# Altium PCB PA_8CH_CTRL.PcbDoc (part 5 of 11) (continued)
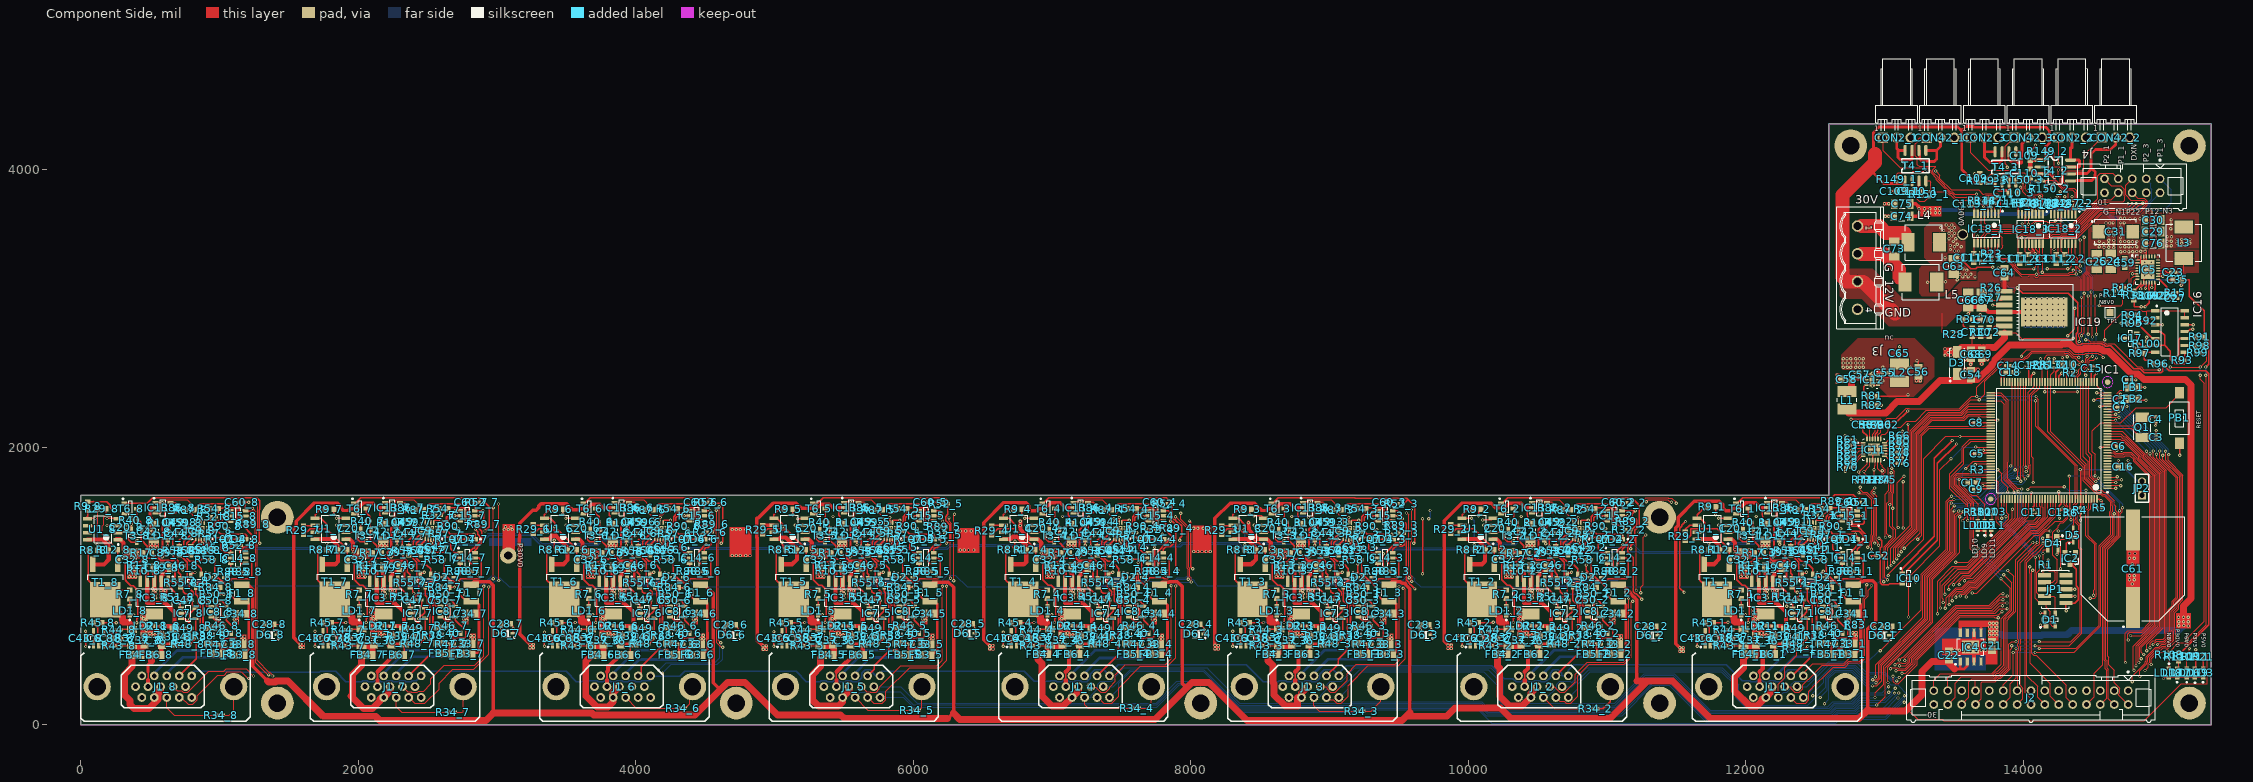
[diagram p0: Component Side view]
## Nets (pads, with @x,y where several pads share a name; then routed paths per layer and width w, separated by ;. In a path a pad name is that pad's centre, name@x,y a point inside that pad or via, vN(x,y) a via of type N, cw(c..) or ccw(c..) an arc to the next point about the centre after c; other vN are vias at no path point) (continued)
  Component Side w30: v2(13581.69,2560.04) 13582.68,2559.06 C54.2@13623.03,2559.06 13671.26,2559.06 v2(13673.23,2561.02) ; v2(13581.69,2634.84) C68.1@13623.03,2634.84 13623.03,2602.36 v2(13620.08,2599.41) ; C66.1@13614.17,3011.81 13676.38,3011.81 13696.06,2992.13 13730.31,2992.13 13747.24,2975.2 IC19.4@13863.19,2975.2 IC19.8@14150.79,2975.2 ; IC4.3@13645,456.67 13645,536 v1(13620,561) 13645,586 IC4.6@13645,665.33 ; v2(13700.79,2600.39) C69.1@13700.79,2635.83 13740.16,2635.83 v2(13741.14,2634.84)
  Signal Layer 1 w10: v2(9724.41,1545.28) 9743.94,1564.81 10324.95,1564.81 10382.09,1507.68 v1(10382.09,1502.31) ; v1(13643,1674) v1@13645,1674
  Solder Side w10: v1(7075,1502.31) 7257.53,1502.31 v2(7263.78,1496.06) ; v1(8728.54,1502.31) 8842.17,1502.31 v2(8848.43,1496.06) ; v2(9714.57,1486.22) 9724.41,1496.06 v2(9724.41,1545.28)
  other v1: 13581,528 13622,529 13661,529 13696,536 13727,537 13538,538 13506,540 13582,559 13659,560 13619,589 13581,590 13657,591 1157,613 1182,613 11078,617 11103,617 2811,619 2836,619 7772,619 7797,619 6117,620 6142,620 9424,620 9449,620 4464,621 4489,621 1157,636 500,637 547,637 1180,637 524,638 2153.54,638.14 2200.54,638.14 3807.09,638.14 3854.09,638.14 5460.63,638.14 5507.63,638.14 7114.17,638.14 7161.17,638.14 8767.72,638.14 8814.72,638.14 10421.26,638.14 10468.26,638.14 12114.17,638.14 12161.17,638.14 2177.54,639.14 3831.09,639.14 5484.63,639.14 7138.17,639.14 8791.72,639.14 10445.26,639.14 12138.17,639.14 11078,640 12771,640 12796,640 11101,641 2811,642 7772,642 2834,643 6117,643 7795,643 9424,643 4464,644 6140,644 9447,644 4487,645 546,660 499,661 523,661 2199.54,661.14 3853.09,661.14 5506.63,661.14 7160.17,661.14 8813.72,661.14 10467.26,661.14 12160.17,661.14 2152.54,662.14 2176.54,662.14 3806.09,662.14 3830.09,662.14 5459.63,662.14 5483.63,662.14 7113.17,662.14 7137.17,662.14 8766.72,662.14 8790.72,662.14 10420.26,662.14 10444.26,662.14 12113.17,662.14 12137.17,662.14 12771,663 12794,664 566,674 590,674 2219.54,675.14 2243.54,675.14 3873.09,675.14 3897.09,675.14 5526.63,675.14 5550.63,675.14 7180.17,675.14 7204.17,675.14 8833.72,675.14 8857.72,675.14 10487.26,675.14 10511.26,675.14 12180.17,675.14 12204.17,675.14 472,682 2125.54,683.14 3779.09,683.14 5432.63,683.14 7086.17,683.14 8739.72,683.14 10393.26,683.14 12086.17,683.14 443,691 2096.54,692.14 3750.09,692.14 5403.63,692.14 7057.17,692.14 8710.72,692.14 10364.26,692.14 12057.17,692.14 1111,736 2764.54,737.14 4418.09,737.14 6071.63,737.14 7725.17,737.14 9378.72,737.14 11032.26,737.14 12725.17,737.14 440,746 2093.54,747.14 3747.09,747.14 5400.63,747.14 7054.17,747.14 8707.72,747.14 10361.26,747.14 12054.17,747.14 472,748 2125.54,749.14 3779.09,749.14 5432.63,749.14 7086.17,749.14 8739.72,749.14 10393.26,749.14 12086.17,749.14 1129,752 2782.54,753.14 4436.09,753.14 6089.63,753.14 7743.17,753.14 9396.72,753.14 11050.26,753.14 1107,762 2760.54,763.14 4414.09,763.14 6067.63,763.14 7721.17,763.14 9374.72,763.14 11028.26,763.14 12721.17,763.14 455,765 2108.54,766.14 3762.09,766.14 5415.63,766.14 7069.17,766.14 8722.72,766.14 10376.26,766.14 12069.17,766.14 436,780 2089.54,781.14 3743.09,781.14 5396.63,781.14 7050.17,781.14 8703.72,781.14 10357.26,781.14 12050.17,781.14 456,795 2109.54,796.14 3763.09,796.14 5416.63,796.14 7070.17,796.14 8723.72,796.14 10377.26,796.14 12070.17,796.14 437,809 2090.54,810.14 3744.09,810.14 5397.63,810.14 7051.17,810.14 8704.72,810.14 10358.26,810.14 12051.17,810.14 456,823 2109.54,824.14 3763.09,824.14 5416.63,824.14 7070.17,824.14 8723.72,824.14 10377.26,824.14 12070.17,824.14 434,834 2087.54,835.14 3741.09,835.14 5394.63,835.14 7048.17,835.14 8701.72,835.14 10355.26,835.14 12048.17,835.14 540,915 2193.54,916.14 3847.09,916.14 5500.63,916.14 7154.17,916.14 8807.72,916.14 10461.26,916.14 12154.17,916.14 522,930 2175.54,931.14 3829.09,931.14 5482.63,931.14 7136.17,931.14 8789.72,931.14 10443.26,931.14 12136.17,931.14 542,943 2195.54,944.14 3849.09,944.14 5502.63,944.14 7156.17,944.14 8809.72,944.14 10463.26,944.14 12156.17,944.14 521,956 2174.54,957.14 3828.09,957.14 5481.63,957.14 7135.17,957.14 8788.72,957.14 10442.26,957.14 12135.17,957.14 540,970 2193.54,971.14 3847.09,971.14 5500.63,971.14 7154.17,971.14 8807.72,971.14 10461.26,971.14 12154.17,971.14 519,982 2172.54,983.14 3826.09,983.14 5479.63,983.14 7133.17,983.14 8786.72,983.14 10440.26,983.14 12133.17,983.14 396,1067 349,1068 373,1068 2049.54,1068.14 3703.09,1068.14 5356.63,1068.14 7010.17,1068.14 8663.72,1068.14 10317.26,1068.14 12010.17,1068.14 2002.54,1069.14 2026.54,1069.14 3656.09,1069.14 3680.09,1069.14 5309.63,1069.14 5333.63,1069.14 6963.17,1069.14 6987.17,1069.14 8616.72,1069.14 8640.72,1069.14 10270.26,1069.14 10294.26,1069.14 11963.17,1069.14 11987.17,1069.14 372,1093 396,1093 348,1094 2025.54,1094.14 2049.54,1094.14 3679.09,1094.14 3703.09,1094.14 5332.63,1094.14 5356.63,1094.14 6986.17,1094.14 7010.17,1094.14 8639.72,1094.14 8663.72,1094.14 10293.26,1094.14 10317.26,1094.14 11986.17,1094.14 12010.17,1094.14 2001.54,1095.14 3655.09,1095.14 5308.63,1095.14 6962.17,1095.14 8615.72,1095.14 10269.26,1095.14 11962.17,1095.14 14785,1160 14765,1200 14800,1200 14765,1235 14805,1235 526,1279 551,1279 503,1280 2179.54,1280.14 2204.54,1280.14 3833.09,1280.14 3858.09,1280.14 5486.63,1280.14 5511.63,1280.14 7165.17,1280.14 8793.72,1280.14 8818.72,1280.14 10447.26,1280.14 10472.26,1280.14 12140.17,1280.14 12165.17,1280.14 2156.54,1281.14 3810.09,1281.14 5463.63,1281.14 8770.72,1281.14 10424.26,1281.14 12117.17,1281.14 7115,1285 7140,1285 550,1303 502,1304 526,1304 2203.54,1304.14 3857.09,1304.14 5510.63,1304.14 7164.17,1304.14 8817.72,1304.14 10471.26,1304.14 12164.17,1304.14 2155.54,1305.14 2179.54,1305.14 3809.09,1305.14 3833.09,1305.14 5462.63,1305.14 5486.63,1305.14 7116.17,1305.14 7140.17,1305.14 8769.72,1305.14 8793.72,1305.14 10423.26,1305.14 10447.26,1305.14 12116.17,1305.14 12140.17,1305.14 5421.46,1502.31 12075,1502.31 12909,1971 12938,1971 12909,1997 12938,1997 12812,2180 12911,2442 12659,2469 12911,2473 13230,2479 13257,2479 12659,2495 12911,2503 12659,2519 12912,2535 14786.86,3251.61 14566.93,3336.61 14527.86,3338.61 14604.86,3338.61 14655.86,3338.61 14651.86,3439.61 14580.86,3441.61 14615.86,3442.61 14547.24,3444.88 15033.86,3452.61 15065.86,3452.61 14517.72,3464.57 14650.86,3464.61 14579.86,3466.61 14614.86,3467.61 15107.86,3470.61 15140.86,3470.61 15171.86,3470.61 15198.82,3470.47 14547.24,3484.25 15034.86,3485.61 15066.86,3485.61 14650.86,3490.61 14614.86,3493.61 15107.86,3498.61 15140.86,3498.61 15171.86,3498.61 15200.86,3498.61 15035.86,3518.61 15067.86,3518.61 14649.86,3525.61 14614.86,3527.61 14648.86,3550.61 14613.86,3552.61 15062.86,3574.61 14648.86,3576.61 14613.86,3578.61 15063.86,3607.61 14595.86,3616.61 14621.86,3616.61 14646.86,3617.61 15064.86,3640.61 13005,3665 13030,3665 12999,3756
  other v2: 840.32,1379.17 879.69,1379.17 2493.86,1380.31 2533.23,1380.31 4147.4,1380.31 4186.77,1380.31 5800.94,1380.31 5840.31,1380.31 7454.49,1380.31 7493.86,1380.31 9108.03,1380.31 9147.4,1380.31 12454.49,1380.31 12492,1381 10763,1382 10801,1383 860,1398.86 2513.54,1400 4167.09,1400 5820.63,1400 7474.17,1400 9127.72,1400 10781.26,1400 12474.17,1400 840.32,1418.54 879.69,1418.54 2493.86,1419.69 2533.23,1419.69 4147.4,1419.69 4186.77,1419.69 5800.94,1419.69 5840.31,1419.69 7454.49,1419.69 7493.86,1419.69 9108.03,1419.69 9147.4,1419.69 10761.57,1419.69 10800.94,1419.69 12454.49,1419.69 12493.86,1419.69 14015.75,2874.02 14055.12,2874.02 14094.49,2874.02 14133.86,2874.02 14173.23,2874.02 14212.6,2874.02 14251.97,2874.02 14291.34,2874.02 14015.75,2913.39 14055.12,2913.39 14094.49,2913.39 14133.86,2913.39 14173.23,2913.39 14212.6,2913.39 14251.97,2913.39 14291.34,2913.39 14015.75,2952.76 14055.12,2952.76 14094.49,2952.76 14133.86,2952.76 14173.23,2952.76 14212.6,2952.76 14251.97,2952.76 14291.34,2952.76 14015.75,2992.13 14055.12,2992.13 14094.49,2992.13 14133.86,2992.13 14173.23,2992.13 14212.6,2992.13 14251.97,2992.13 14291.34,2992.13 14015.75,3031.5 14055.12,3031.5 14094.49,3031.5 14133.86,3031.5 14173.23,3031.5 14212.6,3031.5 14251.97,3031.5 14291.34,3031.5 14015.75,3070.87 14055.12,3070.87 14094.49,3070.87 14133.86,3070.87 14173.23,3070.87 14212.6,3070.87 14251.97,3070.87 14291.34,3070.87 13523.62,3208.66 13562.99,3228.35 13602.36,3228.35 13651.57,3228.35 13543.31,3248.03 13582.68,3248.03 13622.05,3248.03 13592.52,3277.56 13562.99,3287.4
I2C0_SCL: IC9_8.3 IC11.2 IC15_8.5 J1_8.9 R63.1 | length 14575.1
  Component Side w6: J1_8.9@665.16,274.45 694.53,245.08 727.26,245.08 738.38,233.95 771.93,233.95 922.98,385 1030,385 1048,403 1194,403 v1(1245,352) ; v1(1238,1561) 1262.21,1536.79 1262.21,1414.05 1256.56,1408.4 1256.56,1295.46 1261,1291.02 1261,446 1347,360 v1(1355,360) ; R63.1@12754.37,2013.88 12779.88,2013.88 v1(12784,2018) 12788.12,2013.88 IC11.2@12846.1,2013.88
  Component Side w10: IC9_8.3@918.07,1408.7 938.7,1408.7 981.81,1451.81 996.81,1451.81 1043,1498 v1(1043,1506.81) 1078.94,1506.81 IC15_8.5@1080.63,1505.12
  Signal Layer 1 w6: v1(1043,1506.81) 1066.71,1530.52 1206.49,1530.52 1306.55,1630.57 2619.68,1630.57 2652.92,1597.33 2670.16,1597.33 2703.41,1630.57 3493.95,1630.57 3501.71,1622.81 3567.19,1622.81 3574.95,1630.57 5926.77,1630.57 5960.01,1597.33 5977.25,1597.33 6010.49,1630.57 7580.31,1630.57 7613.55,1597.33 7630.79,1597.33 7664.04,1630.57 9233.85,1630.57 9267.1,1597.33 9284.34,1597.33 9317.58,1630.57 12607.94,1630.57 12644,1666.64 12644,1908.53 12753.47,2018 v1(12784,2018) ; v1(1245,352) 1253,360 v1(1355,360)
I2C0_SDA: IC9_8.4 IC11.1 IC15_8.4 J1_8.4 R61.1 | length 14605.9
  Component Side w6: J1_8.4@690.71,196.5 J1_8.4@700.39,206.18 ; J1_8.4@710.08,196.5 725.75,196.5 774.61,147.64 808.49,147.64 840.57,179.72 840.57,211.57 987.5,358.5 1033.15,358.5 1057.67,383.02 1156.98,383.02 1205,335 v1(1210,335) ; v1(1247,1614) 1274.93,1586.07 1274.93,1556.06 1274.21,1555.34 1274.21,1409.08 1268.56,1403.43 1268.56,1300.44 1273,1295.99 1273,464 1356.19,380.81 1363.62,380.81 1385,359.43 v1(1385,352) ; R61.1@12754.37,2053.25 12780.25,2053.25 v1(12784,2057) 12807.43,2033.57 IC11.1@12846.1,2033.57
  Component Side w10: IC9_8.4@918.07,1428.39 935.76,1428.39 975.18,1467.81 990.18,1467.81 1020.19,1497.82 1020.19,1516.26 1044.78,1540.85 v1(1044.78,1542.52) IC15_8.4@1080.63,1542.52
  Signal Layer 1 w6: v1(1044.78,1542.52) 1178.25,1542.52 1247,1611.27 v1(1247,1614) 1275.57,1642.57 12602.97,1642.57 12628,1667.61 12628,1909.5 12775.5,2057 v1(12784,2057) ; v1(1210,335) 1210,332 1210.81,331.19 1364.19,331.19 v1(1385,352)
I2C1_SCL: IC9_7.3 IC11.4 IC15_7.5 J1_7.9 R65.1 | length 12917.2
  Component Side w6: J1_7.9@2318.7,275.59 2356.16,238.13 2380.4,238.13 2383.44,235.09 2425.47,235.09 2434.5,244.12 2470.5,244.12 2524.09,297.71 2524.09,333 2620.09,429 2840,429 2904,493 v1(2904,1000) ; v1(2972,1053) v1(2972,1565) ; v1(11250,1591) 11262.19,1603.19 11262.19,1617.62 11279.74,1635.17 11441.8,1635.17 11441.97,1635 11467,1635 11499,1603 v1(11499,1597) ; R65.1@12754.37,1935.14 12779.14,1935.14 v1(12788,1944) 12818.51,1974.51 IC11.4@12846.1,1974.51
  Component Side w10: IC9_7.3@2571.61,1409.84 2592.24,1409.84 2650,1467.6 2650,1491.37 2666.58,1507.95 v1(2696,1507.95) 2732.48,1507.95 IC15_7.5@2734.17,1506.26
  Signal Layer 1 w6: v1(2696,1507.95) 2719.71,1531.66 2741.06,1531.66 2815.97,1606.57 2899.43,1606.57 2939,1567 3043,1567 3074.81,1598.81 3850.76,1598.81 3873.38,1576.19 3904.62,1576.19 3935.01,1606.57 4376.02,1606.57 4409.41,1573.19 4436.59,1573.19 4468.4,1605 5503.6,1605 5533.41,1575.19 5560.59,1575.19 5591.98,1606.57 5916.82,1606.57 5950.07,1573.33 6087.22,1573.33 6090.08,1576.19 6186.62,1576.19 6195.24,1584.81 7177.79,1584.81 7187.41,1575.19 7214.59,1575.19 7245.98,1606.57 7570.37,1606.57 7603.61,1573.33 7740.76,1573.33 7743.62,1576.19 7833.62,1576.19 7843.24,1585.81 8829.79,1585.81 8840.41,1575.19 8867.59,1575.19 8898.98,1606.57 9223.91,1606.57 9257.16,1573.33 9394.31,1573.33 9423.79,1602.81 10466.79,1602.81 10494.41,1575.19 10521.59,1575.19 10552.98,1606.57 10989.43,1606.57 11021.67,1574.33 11048.85,1574.33 11071.52,1597 11244,1597 v1(11250,1591) ; v1(11499,1597) 11507.81,1605.81 12158.79,1605.81 12189.41,1575.19 12216.59,1575.19 12247.21,1605.81 12617.12,1605.81 12668,1656.69 12668,1898.58 12720.42,1951 12787,1951 12788,1950 v1(12788,1944)
  Solder Side w6: v1(2904,1000) 2953,1049 2972,1049 v1(2972,1053)
I2C1_SDA: IC9_7.4 IC11.3 IC15_7.4 J1_7.4 R64.1 | length 12931
  Component Side w6: J1_7.4@2363.62,197.64 2405.75,155.51 2480.32,155.51 2582.14,257.33 2582.14,300.74 2682,400.6 2832.6,400.6 2941,509 v1(2941,994) ; v1(3011,1592) 3012,1591 v1(3012,1040) ; v1(11283,1609) 11297.17,1623.17 11436.83,1623.17 11456,1604 v1(11464,1604) ; R64.1@12754.37,1974.51 12780.51,1974.51 v1(12784,1978) 12800.2,1994.2 IC11.3@12846.1,1994.2
  Component Side w10: IC9_7.4@2571.61,1429.53 2584.19,1429.53 2634,1479.34 2634,1498 2659.95,1523.95 2678.61,1523.95 v1(2698.32,1543.66) IC15_7.4@2734.17,1543.66
  Signal Layer 1 w6: v1(2698.32,1543.66) 2736.09,1543.66 2811,1618.57 2964.43,1618.57 2991,1592 v1(3011,1592) 3042,1592 3068.57,1618.57 3488.98,1618.57 3496.74,1610.81 3572.16,1610.81 3579.92,1618.57 4380.99,1618.57 4414.38,1585.19 4431.62,1585.19 4465.01,1618.57 5506.99,1618.57 5538.38,1587.19 5555.62,1587.19 5587.01,1618.57 5921.8,1618.57 5955.04,1585.33 6082.25,1585.33 6114.73,1617.81 7161.76,1617.81 7192.38,1587.19 7209.62,1587.19 7241.01,1618.57 7575.34,1618.57 7608.58,1585.33 7735.79,1585.33 7768.46,1618 8814.57,1618 8845.38,1587.19 8862.62,1587.19 8894.01,1618.57 9228.88,1618.57 9262.13,1585.33 9389.34,1585.33 9418.97,1614.96 10471.61,1614.96 10499.38,1587.19 10516.62,1587.19 10548.01,1618.57 10994.4,1618.57 11026.64,1586.33 11043.88,1586.33 11069.36,1611.81 11280.19,1611.81 v1(11283,1609) ; v1(11464,1604) 11477.81,1617.81 12163.76,1617.81 12194.38,1587.19 12211.62,1587.19 12242.24,1617.81 12612.15,1617.81 12656,1661.67 12656,1903.56 12730.44,1978 v1(12784,1978)
  Solder Side w6: v1(2941,994) 2942.43,994 2988.43,1040 v1(3012,1040)
I2C2_SCL: IC9_6.3 IC11.6 IC15_6.5 J1_6.9 R70.1 | length 11550.3
  Component Side w6: v1(4580,1547) 4584.45,1542.55 4584.45,1399.65 4580,1395.2 4580,1354 4589,1345 4589,1328.31 4583.33,1322.65 4583.33,591.24 4615.57,559 v1(4626,559) ; R70.1@12754.37,1856.4 12757.97,1860 v1(12785,1860) 12785,1876.57 12807.81,1899.38 12807.81,1908.81 12834.14,1935.14 IC11.6@12846.1,1935.14
  Component Side w10: IC9_6.3@4225.16,1409.84 4245.79,1409.84 4288.9,1452.95 4288.9,1494.21 4302.64,1507.95 v1(4349,1507.95) 4386.02,1507.95 IC15_6.5@4387.72,1506.26
  Signal Layer 1 w6: J1_6.9@3972.24,275.59 4009.7,313.05 4042.43,313.05 4045.47,316.09 4079.02,316.09 4082.06,313.05 4133.05,313.05 v1(4192,372) ; v1(4349,1507.95) 4372.71,1531.66 4429,1531.66 4478.34,1581 4542,1581 4577,1546 4649,1546 4684,1581 5476.37,1581 5536.04,1521.33 5563.22,1521.33 5582.44,1540.55 5582.44,1563.1 5601.92,1582.57 5906.88,1582.57 5940.13,1549.33 6097.16,1549.33 6100.02,1552.19 6196.56,1552.19 6205.18,1560.81 7150.1,1560.81 7189.58,1521.33 7216.76,1521.33 7278.01,1582.57 7560.43,1582.57 7593.67,1549.33 7750.7,1549.33 7753.56,1552.19 7843.56,1552.19 7853.18,1561.81 8802.65,1561.81 8843.13,1521.33 8870.31,1521.33 8889.53,1540.55 8889.53,1563.18 8908.92,1582.57 9213.97,1582.57 9247.21,1549.33 9404.25,1549.33 9433.73,1578.81 10456.85,1578.81 10484.47,1551.19 10531.53,1551.19 10562.92,1582.57 10979.48,1582.57 11011.73,1550.33 11058.79,1550.33 11073.27,1564.81 11211.62,1564.81 11238.84,1537.59 11238.84,1438.44 11320.33,1356.95 11450,1356.95 11530,1436.95 11530,1513 11598.81,1581.81 12129.1,1581.81 12170.91,1540 12235.43,1540 12277.24,1581.81 12659.64,1581.81 12692,1614.17 12692,1843 12709,1860 v1(12785,1860) ; v1(4580,1547) 4587,1547 v1@4588,1548
  Solder Side w6: v1(4192,372) 4256,436 4589,436 4626,473 v1(4626,559)
I2C2_SDA: IC9_6.4 IC11.5 IC15_6.4 J1_6.4 R68.1 | length 11678.4
  Component Side w6: v1(4601,1573) 4601,1323.34 4595.33,1317.68 4595.33,608.67 v1(4613,591) ; R68.1@12754.37,1895.77 12774.77,1895.77 v1(12787,1908) 12787,1908.93 12832.9,1954.83 IC11.5@12846.1,1954.83
  Component Side w10: IC9_6.4@4225.16,1429.53 4237.73,1429.53 4272.9,1464.69 4272.9,1500.84 4296.01,1523.95 4332.16,1523.95 4351.87,1543.66 v1(4352.66,1543.66) IC15_6.4@4387.72,1543.66
  Signal Layer 1 w6: J1_6.4@4017.17,197.64 3979.71,235.09 3955.47,235.09 3931.75,258.82 3931.75,292.36 3955.47,316.09 3955.47,319.98 3976.67,341.18 3976.67,380.7 3990.01,394.04 4163.05,394.04 v2(4163.39,393.7) ; v1(4352.66,1543.66) 4424.03,1543.66 4473.37,1593 4572,1593 v1@4593,1572 ; v1@4601,1572 4636,1572 4657,1593 5481.34,1593 5541.01,1533.33 5558.25,1533.33 5570.44,1545.52 5570.44,1568.07 5596.95,1594.57 5911.85,1594.57 5945.1,1561.33 6092.19,1561.33 6095.05,1564.19 6191.59,1564.19 6200.21,1572.81 7155.07,1572.81 7194.55,1533.33 7211.79,1533.33 7273.04,1594.57 7565.4,1594.57 7598.64,1561.33 7745.73,1561.33 7748.59,1564.19 7838.59,1564.19 7848.21,1573.81 8807.62,1573.81 8848.1,1533.33 8865.34,1533.33 8877.53,1545.52 8877.53,1568.16 8903.95,1594.57 9218.94,1594.57 9252.18,1561.33 9399.28,1561.33 9428.76,1590.81 10461.82,1590.81 10489.44,1563.19 10526.56,1563.19 10557.95,1594.57 10984.45,1594.57 11016.7,1562.33 11053.82,1562.33 11068.3,1576.81 11216.59,1576.81 11250.84,1542.56 11250.84,1443.41 11325.3,1368.95 11445.03,1368.95 11518,1441.92 11518,1517.97 11593.84,1593.81 12134.07,1593.81 12173.88,1554 12232.46,1554 12272.27,1593.81 12622.09,1593.81 12680,1651.72 12680,1872 12716,1908 v1(12787,1908)
  Solder Side w6: v2@4165.04,392.04 4221,448 4571,448 4605.19,482.19 4605.19,567.62 4613,575.43 v1(4613,591)
I2C3_SCL: IC9_5.3 IC11.8 IC15_5.5 J1_5.9 R72.1 | length 10132.3
  Component Side w6: J1_5.9@5625.79,275.59 5663.24,238.13 5687.48,238.13 5690.52,235.09 5732.56,235.09 5756.28,258.82 5756.28,271.83 5909.45,425 6170,425 6210,465 v1(6210,999) ; v1(6257.5,1491.5) 6257.5,1467.62 6275.39,1449.73 6275.39,1324.49 6268,1317.1 v1(6268,1057) ; v1(12824.78,1712.6) 12824.78,1692.84 12841.2,1676.42 12870.35,1676.42 12921,1625.77 12921,1369.37 12915.19,1363.56 12915.19,1325.62 12908.19,1318.62 12908.19,1268.19 v1(12906,1266) ; R72.1@12881.19,1786.01 12852,1815.2 v1(12852,1826) 12893.35,1867.35 IC11.8@12893.35,1907.58
  Component Side w10: IC9_5.3@5878.7,1409.84 5899.33,1409.84 5942.44,1452.95 5942.44,1494.21 5956.18,1507.95 5981.79,1507.95 5984.55,1505.19 v1@5997,1505.19 ; 6006.21,1507.95 6039.57,1507.95 IC15_5.5@6041.26,1506.26
  Signal Layer 1 w6: v1@5997,1505.19 6005.19,1505.19 6025.33,1525.33 6107.1,1525.33 6109.96,1528.19 6198.81,1528.19 6238,1489 6373,1489 6420.81,1536.81 7104.92,1536.81 7197.73,1444 7372.6,1444 7386.55,1457.95 7422.08,1457.95 7438.7,1441.33 7570.76,1441.33 7571.43,1442 7593.29,1442 7611.4,1423.88 7663.48,1423.88 7674.55,1434.95 7691.79,1434.95 7702.86,1423.88 7749.81,1423.88 7756.62,1430.69 8005.59,1430.69 8013.03,1438.13 8138.54,1438.13 8145.98,1430.69 8394.95,1430.69 8407.83,1417.81 8454.5,1417.81 8454.99,1417.32 8503.94,1417.32 8532.94,1446.33 8602.47,1446.33 8625.65,1469.5 8794.64,1469.5 8854.33,1409.81 8972.56,1409.81 9021.56,1360.81 9068.62,1360.81 9086.43,1343 9122.6,1343 9124.41,1344.81 9151.59,1344.81 9151.72,1344.69 9161.66,1344.69 9210.3,1393.33 9325.27,1393.33 9331.93,1386.67 9349.17,1386.67 9368.31,1405.81 10388.28,1405.81 10407.28,1386.81 10616.62,1386.81 10623.1,1380.33 10700.1,1380.33 10772.19,1308.24 10772.19,1306.38 10784.38,1294.19 10880.19,1294.19 10955.33,1369.33 11076.9,1369.33 11097.58,1390.01 11115.7,1390.01 11149.48,1356.23 11149.48,1354.32 11196.82,1306.98 11200.03,1306.98 11213.89,1293.12 11213.89,1290.94 11244.83,1260 11564,1260 11636.95,1332.95 11658.59,1332.95 11659.34,1332.2 11775.7,1332.2 11776.45,1332.95 12242.48,1332.95 12267.67,1307.76 12335.92,1307.76 12398.88,1244.81 12884.81,1244.81 v1(12906,1266) ; v1(12824.78,1712.6) 12852,1739.82 v1(12852,1826)
  Solder Side w6: v1(6210,999) v1(6268,1057)
  other v1: 5997,1498
I2C3_SDA: IC9_5.4 IC11.7 IC15_5.4 J1_5.4 R71.1 | length 10172.1
  Component Side w6: J1_5.4@5651.34,197.64 J1_5.4@5670.71,197.64 5674.41,197.64 5714.9,157.14 5777.48,157.14 5801.2,180.86 5801.2,241.2 5973,413 6189,413 6240,464 v1(6240,999) ; v1(6292,1039) 6292,1512 v1(6297,1517) ; v1(12814.96,1673.23) 12823.77,1664.42 12865.38,1664.42 12909,1620.8 12909,1374.34 12903.19,1368.53 12903.19,1330.59 12896.19,1323.59 12896.19,1298.19 v1(12879,1281) ; R71.1@12841.82,1786.01 12814,1813.83 v1(12814,1822) 12873.66,1881.66 IC11.7@12873.66,1907.58
  Component Side w10: IC9_5.4@5878.7,1429.53 5891.28,1429.53 5926.44,1464.69 5926.44,1500.84 5949.55,1523.95 v1@5985.7,1523.95 ; v1(5994,1528) 5994,1532 5993.87,1532.13 6005.41,1543.66 IC15_5.4@6041.26,1543.66
  Signal Layer 1 w6: v1(5994,1528) 6003.33,1537.33 6102.13,1537.33 6104.99,1540.19 6258.81,1540.19 6281,1518 6352,1518 6382.81,1548.81 7111.19,1548.81 7204,1456 7333,1456 7353,1476 7421,1476 7443.67,1453.33 7565.79,1453.33 7566.46,1454 7598.26,1454 7609.56,1442.69 7637.8,1442.69 7644.61,1435.88 7658.51,1435.88 7669.58,1446.95 7696.76,1446.95 7707.83,1435.88 7744.84,1435.88 7751.65,1442.69 8000.62,1442.69 8008.06,1450.13 8143.51,1450.13 8150.95,1442.69 8399.92,1442.69 8406.73,1435.88 8425.06,1435.88 8448.62,1459.43 8534.47,1459.43 8562.99,1487.95 8592.34,1487.95 8598.79,1481.5 8802.98,1481.5 8803.61,1480.87 8803.61,1477.5 8859.31,1421.81 8977.53,1421.81 8983.01,1416.33 9030.07,1416.33 9091.4,1355 9117.63,1355 9119.44,1356.81 9156.56,1356.81 9156.69,1356.69 9192.73,1392.73 9192.73,1399 9216.58,1422.85 9315.99,1422.85 9325.84,1432.69 9347.6,1432.69 9362.48,1417.81 10129.81,1417.81 10137,1425 10386.06,1425 10412.25,1398.81 10621.59,1398.81 10628.07,1392.33 10705.07,1392.33 10723.72,1373.69 10753.4,1344 10816.57,1344 10829.38,1356.81 10839.78,1356.81 10864.3,1381.33 11071.93,1381.33 11092.61,1402.01 11120.68,1402.01 11161.48,1361.21 11161.48,1359.29 11201.79,1318.98 11205,1318.98 11225.89,1298.09 11225.89,1296.8 11249.73,1272.95 11553.92,1272.95 11625.92,1344.95 11663.56,1344.95 11664.31,1344.2 11770.73,1344.2 11771.48,1344.95 12247.45,1344.95 12272.64,1319.76 12340.89,1319.76 12403.85,1256.81 12854.81,1256.81 v1(12879,1281) ; v1(12814,1822) 12816.81,1819.19 12816.81,1737.38 12803.97,1724.54 12803.97,1684.22 v1(12814.96,1673.23)
  Solder Side w6: v1(6240,999) 6281,1040 6282,1039 v1(6292,1039)